# KiCad board 8851_HW-U1-VCU118_REV2-0_071417.kicad_pcb (continued)
## Routing (per net, layer and track width the routed paths; a pad name or vN(x,y) marks a point on that pad's centre or on a via; arc(x,y) is an arc through that point) (continued)
DDR4_C1_DQ32: length 60
  TOP w0.15: v2(96.69,57.92) 97.18,58.41
  05_SIG2 w0.17: v1(75.15,90.78) 75.55,90.38 75.55,89.55 ; 92.9,57.04 93.5,56.44 95.91,56.44 96.2,56.73 96.2,57.15 96.69,57.64 v2(96.69,57.92)
  05_SIG2 w0.258: 92.9,57.04 88.14,61.8 85.35,61.8 84.24,62.91 82.96,62.91 82.76,63.11 82.76,65.04 82.6,65.2 82.37,65.2 82.21,65.04 82.21,63.11 82.08,62.97 81.23,62.97 80.92,63.28 80.92,67.56 81.14,67.78 81.39,67.78 81.53,67.92 81.53,68.19 81.39,68.33 81.14,68.33 81.01,68.47 81.01,68.74 81.14,68.88 81.39,68.88 81.53,69.02 81.53,69.29 81.39,69.43 81.14,69.43 80.97,69.6 80.97,69.93 80.03,70.87 80.03,73.64 81.01,74.62 81.01,84.09 80.85,84.26 76.44,84.26 75.25,85.44 75.25,89.04 75.55,89.34 75.55,89.55
  BOTTOM w0.15: 74.76,91.17 v1(75.15,90.78)
DDR4_C1_DQ33: length 59.9
  TOP w0.15: v2(95.71,57.92) 96.2,58.41
  05_SIG2 w0.17: v1(75.94,94.71) 75.73,94.5 75.73,94.37 75.63,94.27 75.31,94.27 75.19,94.15 75.19,93.94 75.32,93.81 76.13,93.81 76.34,94.02 76.34,94.89 76.56,95.11 80.04,95.11 80.33,94.82 ; 92.9,64.02 92.93,64.05 93.1,64.05 93.29,63.86 93.29,61.6 93.53,61.36 93.94,61.36 94.23,61.07 94.23,60.67 94.52,60.38 95.04,60.38 95.21,60.21 95.21,58.41 v2(95.71,57.92)
  05_SIG2 w0.258: 92.9,64.02 92.73,63.84 92.53,63.84 92.34,64.04 92.34,64.23 92.61,64.51 92.61,64.7 92.42,64.9 92.22,64.9 91.95,64.62 91.75,64.62 91.56,64.82 91.56,65.01 91.83,65.28 91.83,65.48 91.64,65.67 91.44,65.67 91.2,65.44 91.01,65.44 90.82,65.63 90.82,65.82 91.05,66.06 91.05,66.26 90.86,66.45 90.67,66.45 90.45,66.24 90.26,66.24 90.06,66.43 90.06,66.63 90.28,66.84 90.28,67.04 90.08,67.23 89.89,67.23 89.67,67.01 89.47,67.01 89.28,67.2 89.28,67.4 89.5,67.62 89.5,67.81 89.3,68.01 89.11,68.01 88.88,67.78 88.69,67.78 88.04,68.43 85.52,68.43 85.26,68.69 85.26,87.24 84.63,87.86 83.68,87.86 83.26,88.28 83.26,89.33 82.14,90.45 82.14,93.01 80.33,94.82
  BOTTOM w0.15: 75.55,95.11 v1(75.94,94.71)
  vias: v1(72,91.56)
DDR4_C1_DQ34: length 60.9
  TOP w0.15: 96.2,60.38 v2(95.71,59.88)
  05_SIG2 w0.17: v2(95.71,59.88) 96.2,59.39 96.2,58.7 96.49,58.41 96.89,58.41 97.18,58.12 97.18,56.73 96.89,56.44 96.49,56.44 96.2,56.15 96.2,55.74 95.91,55.46 93.53,55.46 92.9,56.09 ; 74.76,89.55 74.76,91.73 74.37,92.12 v1(74.37,92.35)
  05_SIG2 w0.258: 74.76,89.55 74.76,85.19 76.27,83.68 80.19,83.68 80.37,83.5 80.37,75.14 79.57,74.34 79.57,70.28 80.33,69.53 80.33,62.78 81.43,61.67 84.42,61.67 84.96,61.12 87.86,61.12 92.9,56.09
  BOTTOM w0.15: 73.97,91.96 v1(74.37,92.35)
DDR4_C1_DQ35: length 59.9
  TOP w0.15: 96.2,59.39 v2(95.71,58.9)
  05_SIG2 w0.17: v1(74.37,94.71) 74.76,94.32 74.76,92.19 74.99,91.96 75.32,91.96 75.55,91.73 75.55,91.4 75.78,91.17 76.1,91.17 76.34,90.94 76.34,89.55 ; v2(95.71,58.9) 95.71,58.59 96.2,58.1 96.2,57.71 95.91,57.42 93.44,57.42 92.9,57.96
  05_SIG2 w0.258: 92.9,57.96 88.41,62.45 85.85,62.45 84.23,64.07 83.66,64.07 83.4,64.32 83.4,65.43 82.19,66.64 82.19,85.08 81.95,85.33 80.21,85.33 79.73,84.84 78.61,84.84 78.33,85.13 78.33,85.61 78.19,85.75 77.91,85.75 77.78,85.61 77.78,85.46 77.64,85.33 77.36,85.33 77.23,85.46 77.23,85.61 77.09,85.75 76.81,85.75 76.68,85.61 76.68,85.46 76.54,85.33 76.19,85.33 75.72,85.8 75.72,87.44 75.86,87.58 76.37,87.58 76.51,87.71 76.51,87.99 76.37,88.13 75.86,88.13 75.72,88.26 75.72,88.54 75.86,88.68 76.2,88.68 76.34,88.81 76.34,89.55
  BOTTOM w0.15: 73.97,95.11 v1(74.37,94.71)
DDR4_C1_DQ36: length 62.7
  TOP w0.15: 97.18,61.36 v2(96.69,60.87)
  05_SIG2 w0.17: v1(74.37,90.78) 73.97,91.17 73.42,91.17 72.77,91.82 72.77,92.62 72.4,92.99 72.4,96.45 72.63,96.68 72.99,96.68 73.19,96.88 73.19,97.24 73.48,97.53 73.65,97.53 73.91,97.8 ; v2(96.69,60.87) 97.18,61.36 97.18,64.62 96.2,65.61 96.2,65.99 95.91,66.28 95.5,66.28 95.21,66.57 95.21,66.98 94.92,67.27 94.52,67.27 94.23,67.56 94.23,67.96 93.94,68.25 92.9,68.25
  05_SIG2 w0.258: 73.91,97.8 74.22,98.11 80.68,98.11 84.83,93.96 84.83,93.15 87.79,90.19 87.79,73.15 92.69,68.25 92.9,68.25
  BOTTOM w0.15: 73.97,91.17 v1(74.37,90.78)
DDR4_C1_DQ37: length 62.3
  TOP w0.15: 97.18,60.38 v2(96.69,59.88)
  05_SIG2 w0.17: v2(96.69,59.88) 96.2,60.38 96.2,64.13 96.32,64.25 96.66,64.25 96.78,64.38 96.78,64.57 96.66,64.69 96.06,64.69 95.97,64.78 95.97,65.26 95.88,65.35 95.71,65.35 95.62,65.26 95.62,64.78 95.53,64.69 94.86,64.69 94.73,64.82 94.73,65.01 94.88,65.16 95.21,65.16 95.27,65.23 95.27,66.14 95.13,66.28 94.35,66.28 94.23,66.41 94.23,67.12 94.08,67.27 92.9,67.27 ; 80.33,97.47 74.2,97.47 73.97,97.24 73.97,96.68 v1(74.37,96.29)
  05_SIG2 w0.258: 92.9,67.27 92.77,67.27 89.57,70.46 89.26,70.46 89.14,70.58 89.14,70.88 89.02,71.01 88.77,71.01 88.65,70.88 88.65,70.58 88.53,70.46 88.31,70.46 88.19,70.58 88.19,71.59 88.06,71.72 87.81,71.72 87.7,71.62 87.7,70.58 87.58,70.46 87.33,70.46 87.16,70.64 87.16,89.92 84.17,92.91 84.17,93.71 80.41,97.47 80.33,97.47
  BOTTOM w0.15: 73.97,95.9 v1(74.37,96.29)
DDR4_C1_DQ38: length 58.8
  TOP w0.15: 96.2,61.36 v2(95.71,60.87)
  05_SIG2 w0.17: v2(95.71,60.87) 95.21,61.36 95.21,63.96 94.23,64.94 94.23,65.99 93.94,66.28 92.9,66.28 ; v1(73.58,92.35) 73.19,92.75 73.19,93.67 73.27,93.75 74.15,93.75 74.24,93.84 74.24,94.1 74.15,94.19 73.27,94.19 73.19,94.28 73.19,95.66 73.42,95.9 74.6,95.9 74.76,96.06 74.76,96.45 74.99,96.68 80.27,96.68 80.33,96.63
  05_SIG2 w0.258: 92.9,66.28 92.85,66.28 89.34,69.8 86.7,69.8 86.52,69.97 86.52,89.66 83.52,92.66 83.52,93.43 80.33,96.63
  BOTTOM w0.15: 73.19,91.96 v1(73.58,92.35)
DDR4_C1_DQ39: length 60
  TOP w0.15: 95.21,61.36 v2(94.72,60.87)
  TOP w0.375: v2(112.44,86.46) U1.B20
  05_SIG2 w0.17: v2(94.72,60.87) 94.72,61.15 94.23,61.65 94.23,64.02 93.76,64.49 93.76,65.12 93.37,65.52 92.9,65.52 ; 80.33,95.73 80.16,95.9 75.78,95.9 75.55,95.66 75.55,95.31 75.35,95.11 73.97,95.11 v1(73.58,94.71)
  05_SIG2 w0.258: 80.33,95.73 82.84,93.21 82.84,92.35 82.98,92.21 83.07,92.21 83.21,92.06 83.21,91.67 83.08,91.53 82.89,91.53 82.78,91.42 82.78,90.86 82.9,90.74 83.15,90.74 83.69,91.28 83.88,91.28 84.08,91.08 84.08,90.89 83.44,90.25 83.44,90.06 83.63,89.86 83.83,89.86 84.47,90.5 84.66,90.5 84.86,90.31 84.86,90.11 84.06,89.31 84.06,89.12 84.25,88.93 84.45,88.93 85.24,89.72 85.44,89.72 85.63,89.53 85.63,89.33 84.95,88.65 84.95,88.47 85.1,88.31 85.28,88.31 85.49,88.52 85.66,88.52 85.89,88.3 85.89,69.33 86.08,69.15 89.08,69.15 92.72,65.52 92.9,65.52
  BOTTOM w0.15: 73.19,95.11 v1(73.58,94.71)
DDR4_C1_DQ40: length 78.1
  TOP w0.15: 106.04,64.31 v2(105.55,63.82)
  03_SIG1 w0.17: v1(79.88,92.35) 79.48,91.96 79.48,90.58 79.29,90.38 71.84,90.38 71.61,90.16 71.61,89.76 71.4,89.55 ; v2(105.55,63.82) 105.55,63.6 106.04,63.11 106.04,62.63 105.75,62.35 104.36,62.35 104.07,62.63 104.07,63.04 103.78,63.33 103.38,63.33 103.09,63.62 103.09,65.99 102.8,66.28 102.39,66.28 102.1,66.57 102.1,66.98 101.81,67.27 101.41,67.27 101.12,67.56 101.12,67.96 100.83,68.25 100.42,68.25 100.13,68.54 100.13,69.93 99.85,70.22 99.44,70.22 99.15,70.51 99.15,70.92 98.86,71.2 98.45,71.2 98.17,71.49 98.17,71.9 97.88,72.19 97.47,72.19 97.18,72.48 97.18,72.88 96.89,73.17 96.49,73.17 96.2,73.46 96.2,73.87 95.91,74.16 95.5,74.16 95.21,74.44 95.21,74.85 94.93,75.14 94.52,75.14 94.23,75.43 94.23,75.84 93.94,76.12 92.9,76.12
  03_SIG1 w0.258: 71.4,89.55 70.64,88.79 70.16,88.79 69.95,88.58 68.29,88.58 68.08,88.36 68.08,88.04 68.21,87.91 69.31,87.91 69.45,87.77 69.45,87.44 69.29,87.28 68.19,87.28 68.08,87.17 68.08,86.9 68.3,86.67 69.26,86.67 69.45,86.48 69.45,85.58 69.35,85.47 68.85,85.47 68.75,85.57 68.75,85.89 68.6,86.04 68.24,86.04 68.08,85.87 68.08,84.95 68.65,84.37 81.22,84.37 81.44,84.14 84.3,84.14 92.32,76.12 92.9,76.12
  BOTTOM w0.15: 79.48,91.96 v1(79.88,92.35)
DDR4_C1_DQ41: length 77.7
  TOP w0.15: 105.06,64.31 v2(104.56,63.82)
  03_SIG1 w0.17: v2(104.56,63.82) 104.56,65.07 105.06,65.56 105.06,66.12 104.89,66.28 104.36,66.28 104.07,66.57 104.07,67.06 103.87,67.27 103.38,67.27 103.09,67.56 103.09,68.03 102.87,68.25 102.39,68.25 102.1,68.54 102.1,69.93 101.81,70.22 101.41,70.22 101.12,70.51 101.12,70.97 100.89,71.2 100.42,71.2 100.13,71.49 100.13,71.98 99.92,72.19 99.44,72.19 99.15,72.48 99.15,72.97 98.95,73.17 98.45,73.17 98.17,73.46 98.17,73.92 97.93,74.16 97.47,74.16 97.18,74.44 97.18,74.93 96.97,75.14 96.49,75.14 96.2,75.43 96.2,75.89 95.97,76.12 95.5,76.12 95.21,76.41 95.21,76.9 95.01,77.11 94.52,77.11 94.23,77.4 94.23,77.86 93.99,78.09 92.9,78.09 92.9,78.1 ; 80.33,95.81 80.24,95.9 79.48,95.9 v1(79.09,96.29)
  03_SIG1 w0.258: 92.9,78.1 85.22,85.78 85.22,87.29 85,87.51 84.85,87.51 84.59,87.25 84.59,87.25 84.59,86.92 84.34,86.67 83.79,86.67 83.43,86.31 82.21,86.31 81.85,86.67 80.68,86.67 79.52,87.83 78.75,87.83 78.12,87.2 77.99,87.2 77.8,87.39 77.8,87.76 77.61,87.95 77.35,87.95 77.17,87.76 77.17,87.39 76.98,87.2 76.72,87.2 76.53,87.39 76.53,87.76 76.35,87.95 76.09,87.95 75.9,87.76 75.9,87.39 75.72,87.2 75.46,87.2 75.27,87.39 75.27,87.76 75.08,87.95 74.82,87.95 74.64,87.76 74.64,87.39 74.45,87.2 74.07,87.2 73.79,87.49 73.79,88.36 73.98,88.55 80.66,88.55 80.82,88.4 80.82,88.25 80.49,87.91 80.49,87.74 80.66,87.56 80.93,87.56 81.31,87.94 81.87,87.94 82.17,87.64 82.17,87.26 82.4,87.03 83.02,87.03 83.22,87.23 83.22,87.45 82.31,88.37 82.31,88.62 81.94,88.99 81.94,90.01 82.31,90.37 82.31,94.6 81.24,95.67 80.46,95.67 80.33,95.81
  BOTTOM w0.15: 78.7,95.9 v1(79.09,96.29)
DDR4_C1_DQ42: length 76
  TOP w0.15: 108.01,62.35 v2(107.52,61.85)
  03_SIG1 w0.17: v2(107.52,61.85) 108.01,62.35 108.01,62.63 108.01,63.04 108.3,63.33 108.32,63.33 108.73,63.33 108.99,63.6 108.99,64.02 108.99,64.03 109.44,64.47 109.87,64.47 110.96,65.57 110.96,65.99 110.67,66.28 110.27,66.28 109.98,66.57 109.98,66.98 109.69,67.27 109.28,67.27 108.99,67.55 108.99,67.96 108.7,68.25 108.3,68.25 108.01,68.54 108.01,69.93 107.72,70.22 107.31,70.22 107.02,70.51 107.02,70.92 106.74,71.2 106.33,71.2 106.04,71.49 106.04,71.9 105.75,72.19 105.34,72.19 105.06,72.48 105.06,72.88 104.77,73.17 104.36,73.17 104.07,73.46 104.07,73.87 103.78,74.16 103.38,74.16 103.09,74.44 103.09,74.85 102.8,75.14 102.39,75.14 102.1,75.43 102.1,75.84 101.81,76.12 101.41,76.12 101.12,76.41 101.12,76.82 100.83,77.11 100.42,77.11 100.13,77.4 100.13,77.8 99.85,78.09 99.44,78.09 99.15,78.38 99.15,78.4 99.15,78.79 98.86,79.08 98.45,79.08 98.17,79.37 98.17,79.41 98.17,79.77 97.88,80.06 97.47,80.06 97.18,80.35 97.18,80.38 97.18,80.76 96.89,81.05 96.49,81.05 96.2,81.33 96.2,81.74 95.91,82.03 95.5,82.03 95.21,82.32 95.21,82.73 94.93,83.01 94.52,83.01 94.23,83.3 94.23,89.52 ; v1(78.3,92.35) 77.91,91.96 77.34,91.96 77.12,92.18 77.12,92.73 75.55,94.3 75.55,94.88 75.31,95.11 74.98,95.11 74.76,95.33 74.76,96.45 74.99,96.68 75.3,96.68 75.3,96.68 75.32,96.68 75.55,96.91 75.55,96.93 75.55,96.93 75.55,97.55 75.79,97.79 75.97,97.79 75.97,97.8
  03_SIG1 w0.258: 75.97,97.8 76.58,98.41 76.58,99.16 77.6,100.19 85.37,100.19 87.1,98.45 87.1,97.54 90.87,93.76 90.87,93.24 94.23,89.89 94.23,89.52
  BOTTOM w0.15: 77.91,91.96 v1(78.3,92.35)
DDR4_C1_DQ43: length 76.1
  TOP w0.15: 107.02,62.35 v2(106.53,61.85)
  03_SIG1 w0.17: v1(78.3,94.71) 78.01,94.71 77.91,94.82 77.91,96.45 78.14,96.68 78.18,96.68 78.47,96.68 78.7,96.91 78.7,97.24 78.95,97.49 80.1,97.49 80.31,97.28 80.33,97.28 ; v2(106.53,61.85) 106.75,61.63 106.88,61.63 107.02,61.78 107.02,65.99 106.74,66.28 106.33,66.28 106.04,66.57 106.04,66.98 105.75,67.27 105.34,67.27 105.06,67.56 105.06,67.96 104.77,68.25 104.36,68.25 104.07,68.54 104.07,69.93 103.78,70.22 103.38,70.22 103.09,70.51 103.09,70.92 102.8,71.2 102.39,71.2 102.1,71.49 102.1,71.9 101.81,72.19 101.41,72.19 101.12,72.48 101.12,72.88 100.83,73.17 100.42,73.17 100.13,73.46 100.13,73.87 99.85,74.16 99.44,74.16 99.15,74.44 99.15,74.85 98.86,75.14 98.45,75.14 98.17,75.43 98.17,75.92 97.96,76.12 97.47,76.12 97.18,76.41 97.18,76.92 96.99,77.11 96.46,77.11 96.2,77.37 96.2,77.86 95.96,78.09 95.5,78.09 95.21,78.38 95.21,78.91 95.05,79.08 94.52,79.08 94.23,79.37 94.23,79.89 94.05,80.06 93.48,80.06 92.9,80.65
  03_SIG1 w0.258: 80.33,97.28 80.82,97.28 81.14,96.96 81.75,96.96 82.33,96.38 82.33,96.38 83.6,95.12 83.6,92.61 86.04,90.16 86.39,90.16 86.9,90.68 87.15,90.68 87.32,90.51 87.32,90.21 86.77,89.67 86.77,89.5 87.51,88.77 87.71,88.77 87.94,88.99 88.23,88.99 88.44,88.78 88.44,88.49 87.14,87.18 87.14,86.92 87.33,86.74 87.59,86.74 88.5,87.64 88.76,87.64 88.95,87.46 88.95,87.2 88.04,86.29 88.04,86.03 88.22,85.84 88.48,85.84 89.58,86.94 90.72,86.94 91.35,86.32 91.35,85.67 91.16,85.49 90.57,85.49 90.39,85.67 90.39,86.08 90.2,86.26 89.94,86.26 89.76,86.08 89.76,85.67 89.57,85.49 89.17,85.49 88.97,85.29 88.97,85.02 89.14,84.85 91.16,84.85 91.35,84.67 91.35,84.41 91.16,84.22 90.38,84.22 90.2,84.04 90.2,83.77 90.38,83.59 91.16,83.59 91.35,83.4 91.35,82.89 91.21,82.75 90.71,82.75 90.58,82.61 90.58,82.34 90.71,82.2 91.34,82.2 92.9,80.65
  BOTTOM w0.15: 77.91,95.11 v1(78.3,94.71)
DDR4_C1_DQ44: length 75.9
  TOP w0.15: 108.01,63.33 v2(107.52,62.84)
  03_SIG1 w0.17: 92.9,82.66 93.53,82.03 93.94,82.03 94.23,81.74 94.23,81.33 94.52,81.05 94.93,81.05 95.21,80.76 95.21,80.35 95.5,80.06 95.91,80.06 96.2,79.77 96.2,79.37 96.49,79.08 96.89,79.08 97.18,78.79 97.18,78.38 97.47,78.09 97.88,78.09 98.17,77.8 98.17,77.4 98.45,77.11 98.86,77.11 99.15,76.82 99.15,76.32 99.34,76.12 99.85,76.12 100.13,75.84 100.13,75.33 100.33,75.14 100.83,75.14 101.12,74.85 101.12,74.35 101.31,74.16 101.82,74.16 102.1,73.87 102.1,73.36 102.29,73.17 102.8,73.17 103.09,72.88 103.09,72.38 103.28,72.19 103.78,72.19 104.07,71.9 104.07,71.39 104.26,71.2 104.77,71.2 105.06,70.92 105.06,70.41 105.25,70.22 105.75,70.22 106.04,69.93 106.04,68.54 106.33,68.25 106.74,68.25 107.02,67.96 107.02,67.56 107.31,67.27 107.72,67.27 108.01,66.98 108.01,66.57 108.3,66.28 108.7,66.28 108.99,65.99 108.99,65.08 108.01,64.09 108.01,63.61 107.52,63.12 v2(107.52,62.84) ; v1(78.3,90.78) 78.7,91.17 78.7,92.51 78.07,93.14 78.07,93.27 78.65,93.84 78.65,93.96 78.4,94.21 78.27,94.21 77.7,93.64 77.58,93.64 77.12,94.09 77.12,94.88 76.9,95.11 76.57,95.11 76.34,95.34 76.34,96.46 76.56,96.68 76.89,96.68 77.12,96.91 77.12,97.35 78.05,98.28 79.8,98.28 80.18,98.66
  03_SIG1 w0.258: 80.18,98.66 81.4,98.66 81.8,98.26 82.25,98.26 83,97.51 84.84,97.51 85.61,96.74 85.61,95.57 84.86,94.82 84.86,93.13 86.03,91.96 87.66,91.96 89.03,93.33 89.22,93.33 89.54,93.02 89.54,92.82 88.99,92.27 88.99,91.91 89.28,91.62 89.65,91.62 90.01,91.26 90.01,90.89 91.8,89.1 91.99,89.1 92.25,89.36 92.44,89.36 93.02,88.78 93.02,86.28 92.62,85.89 92.62,82.94 92.9,82.66
  BOTTOM w0.15: 77.91,91.17 v1(78.3,90.78)
DDR4_C1_DQ45: length 77
  TOP w0.15: 107.02,63.33 v2(106.53,62.84)
  03_SIG1 w0.17: 80.33,96.55 80.2,96.55 80.07,96.68 78.93,96.68 78.53,96.29 v1(78.3,96.29) ; 92.9,79.08 94.05,79.08 94.23,78.9 94.23,78.28 94.42,78.09 95.01,78.09 95.21,77.89 95.21,77.32 95.42,77.11 95.99,77.11 96.2,76.9 96.2,76.29 96.37,76.12 97,76.12 97.18,75.94 97.18,75.35 97.39,75.14 97.97,75.14 98.17,74.94 98.17,74.38 98.39,74.16 98.97,74.16 99.15,73.97 99.15,73.39 99.37,73.17 99.92,73.17 100.13,72.96 100.13,72.39 100.34,72.19 100.96,72.19 101.12,72.03 101.12,71.41 101.33,71.2 101.87,71.2 102.1,70.97 102.1,70.44 102.33,70.22 102.93,70.22 103.09,70.07 103.09,68.45 103.28,68.25 103.87,68.25 104.07,68.05 104.07,67.45 104.25,67.27 104.77,67.27 105.06,66.98 105.06,66.57 105.34,66.28 105.84,66.28 106.04,66.08 106.04,65.64 105.66,65.27 105.19,65.27 104.95,65.03 104.95,64.38 105.06,64.26 105.3,64.26 105.44,64.41 105.44,64.58 105.64,64.77 106.11,64.77 106.23,64.89 106.23,65.21 106.32,65.3 106.55,65.3 106.67,65.19 106.67,64.42 106.55,64.3 106.27,64.3 106.04,64.07 106.04,63.62 106.53,63.13 v2(106.53,62.84)
  03_SIG1 w0.258: 80.33,96.55 80.55,96.55 80.79,96.31 81.5,96.31 81.69,96.12 81.69,96.12 82.96,94.85 82.96,90.11 82.58,89.73 82.58,89.35 82.74,89.19 82.95,89.19 83.4,89.63 83.53,89.63 83.84,89.33 83.84,89.13 83.34,88.63 83.34,88.28 83.75,87.86 84.31,87.86 84.67,88.22 84.67,88.75 84.81,88.89 84.81,89.35 83.65,90.51 83.65,90.86 83.88,91.09 84.16,91.09 86.02,89.23 86.02,89.09 85.3,88.37 85.3,88.1 85.53,87.88 85.83,87.88 86.54,88.58 86.79,88.58 87.04,88.32 87.04,88.04 85.85,86.85 85.85,86.05 86.08,85.82 86.34,85.82 86.67,86.15 86.93,86.15 87.11,85.96 87.11,85.7 86.79,85.38 86.79,85.11 86.97,84.93 87.23,84.93 87.56,85.25 87.82,85.25 88.01,85.07 88.01,84.81 87.68,84.48 87.68,84.22 87.87,84.03 88.13,84.03 88.45,84.36 88.72,84.36 88.9,84.18 88.9,83.91 88.58,83.59 88.58,83.32 88.76,83.14 89.02,83.14 89.35,83.47 89.61,83.47 89.8,83.28 89.8,83.02 89.47,82.69 89.47,82.43 90.55,81.35 90.81,81.35 90.9,81.45 91.16,81.45 91.35,81.26 91.35,81 91.26,80.91 91.26,80.64 91.44,80.46 91.7,80.46 91.8,80.55 92.06,80.55 92.24,80.37 92.24,80.11 92.15,80.01 92.15,79.75 92.82,79.08 92.9,79.08
  BOTTOM w0.15: 77.91,95.9 v1(78.3,96.29)
DDR4_C1_DQ46: length 75.3
  TOP w0.15: 108.99,64.31 v2(108.5,63.82)
  03_SIG1 w0.17: v2(108.5,63.82) 108.5,64.08 109.98,65.55 109.98,65.99 109.69,66.28 109.28,66.28 108.99,66.57 108.99,66.98 108.7,67.27 108.3,67.27 108.01,67.55 108.01,67.96 107.72,68.25 107.31,68.25 107.02,68.54 107.02,69.93 106.74,70.22 106.33,70.22 106.04,70.51 106.04,70.96 105.8,71.2 105.34,71.2 105.06,71.49 105.06,71.95 104.82,72.19 104.36,72.19 104.07,72.48 104.07,72.93 103.83,73.17 103.38,73.17 103.09,73.46 103.09,73.92 102.85,74.16 102.39,74.16 102.1,74.44 102.1,74.9 101.86,75.14 101.41,75.14 101.12,75.43 101.12,75.88 100.88,76.12 100.42,76.12 100.13,76.41 100.13,76.87 99.89,77.11 99.44,77.11 99.15,77.4 99.15,77.85 98.91,78.09 98.45,78.09 98.17,78.38 98.17,78.84 97.93,79.08 97.47,79.08 97.18,79.37 97.18,79.82 96.94,80.06 96.49,80.06 96.2,80.35 96.2,80.81 95.96,81.05 95.5,81.05 95.21,81.33 95.21,81.74 94.93,82.03 94.52,82.03 94.23,82.32 94.23,82.73 93.94,83.01 93.53,83.01 93.2,83.35 93.2,85.64 93.54,85.98 93.54,89.52 ; v1(77.52,92.35) 77.52,93.06 76.34,94.24 76.34,94.88 76.11,95.11 75.78,95.11 75.55,95.34 75.55,96.45 75.64,96.54 75.64,96.55 75.78,96.68 76.04,96.68 76.1,96.68 76.33,96.91 76.33,97.24 76.34,97.24 76.34,97.27 76.87,97.8
  03_SIG1 w0.258: 76.87,97.8 77.25,98.18 77.25,98.93 77.7,99.38 82.6,99.38 82.83,99.16 82.83,98.59 83.26,98.16 83.7,98.16 84.01,98.47 84.01,99.2 84.21,99.4 85.02,99.4 85.23,99.19 85.23,98.06 86.2,97.09 86.65,97.09 90.23,93.52 90.23,92.49 90.1,92.36 90.1,92.11 90.37,91.84 90.56,91.84 90.77,92.05 91.16,92.05 91.35,91.86 91.35,91.65 90.82,91.12 90.82,91 91.02,90.81 91.35,90.81 91.76,91.21 92,91.21 92.18,91.03 92.18,90.8 91.73,90.36 91.73,90.16 91.89,90 92.24,90 92.59,90.36 92.81,90.36 93.54,89.62 93.54,89.52
  BOTTOM w0.15: 77.12,91.96 v1(77.52,92.35)
  BOTTOM w0.375: 74.76,90.38 v1(75.15,89.99)
DDR4_C1_DQ47: length 75.5
  TOP w0.15: 108.01,64.31 v2(107.52,63.82)
  03_SIG1 w0.17: v2(107.52,63.82) 107.7,64 107.7,64.23 107.6,64.33 107.42,64.33 107.32,64.43 107.32,65.16 107.44,65.28 107.65,65.28 107.79,65.14 107.79,64.82 107.91,64.7 108.19,64.7 108.5,65.01 108.5,65.22 108.38,65.34 108.15,65.34 108.01,65.48 108.01,66.12 107.84,66.28 107.24,66.28 107.02,66.5 107.02,67.06 106.82,67.27 106.23,67.27 106.04,67.45 106.04,68.01 105.8,68.25 105.27,68.25 105.06,68.46 105.06,70.01 104.84,70.22 104.25,70.22 104.07,70.4 104.07,70.92 103.78,71.2 103.32,71.2 103.09,71.43 103.09,71.9 102.8,72.19 102.33,72.19 102.1,72.42 102.1,72.88 101.82,73.17 101.35,73.17 101.12,73.4 101.12,73.87 100.83,74.16 100.42,74.16 100.13,74.44 100.13,74.85 99.85,75.14 99.44,75.14 99.15,75.43 99.15,75.84 98.86,76.12 98.45,76.12 98.17,76.41 98.17,76.82 97.88,77.11 97.47,77.11 97.18,77.4 97.18,77.9 96.99,78.09 96.46,78.09 96.2,78.35 96.2,78.86 95.98,79.08 95.5,79.08 95.21,79.37 95.21,79.81 94.96,80.06 94.52,80.06 94.23,80.35 94.23,80.83 94.01,81.05 93.41,81.05 92.9,81.55 ; 80.36,97.83 80.05,97.83 79.99,97.89 78.56,97.89 78.45,97.78 78.1,97.78 77.91,97.59 77.91,96.91 77.68,96.68 77.35,96.68 77.12,96.45 77.12,95.34 arc(77.13,95.34) 77.12,95.34 77.52,94.95 v1(77.52,94.71)
  03_SIG1 w0.258: 80.36,97.83 81.33,97.83 81.54,97.61 82,97.61 83.51,96.11 83.81,96.11 84.03,96.32 84.03,96.75 84.15,96.87 84.51,96.87 84.91,96.48 84.91,95.78 84.23,95.1 84.23,92.87 85.77,91.33 87.93,91.33 88.19,91.59 88.38,91.59 88.64,91.33 88.64,91.07 87.98,90.4 87.98,90.14 88.16,89.96 88.42,89.96 89.09,90.62 89.35,90.62 89.54,90.44 89.54,90.18 88.87,89.51 88.87,89.25 89.06,89.06 89.32,89.06 89.98,89.73 90.25,89.73 90.56,89.42 90.56,89.15 89.48,88.08 89.48,87.81 89.66,87.63 89.93,87.63 91.01,88.71 91.27,88.71 91.58,88.39 92.25,88.39 92.48,88.16 92.48,87.92 92.29,87.74 91.5,87.74 91.32,87.55 91.32,87.29 91.5,87.1 92.29,87.1 92.48,86.92 92.48,86.68 91.99,86.19 91.99,82.47 92.9,81.55
  BOTTOM w0.15: 77.12,95.11 v1(77.52,94.71)
DDR4_C1_DQ48: length 55.3
  TOP w0.15: 103.09,65.3 v2(102.6,65.79)
  07_SIG3 w0.17: 80.33,83.83 80.25,83.91 79.8,83.91 79.72,83.83 79.72,83.67 79.62,83.57 79.43,83.57 79.34,83.66 79.34,83.81 79.25,83.9 79,83.9 78.92,83.82 78.92,83.67 78.84,83.59 78.63,83.59 78.55,83.68 78.55,83.83 78.46,83.91 78.26,83.91 78.18,83.83 78.18,83.67 78.09,83.58 77.86,83.58 77.78,83.66 77.78,83.82 77.7,83.91 77.43,83.91 77.34,83.82 77.34,83.66 77.26,83.57 77,83.57 76.92,83.65 76.92,83.81 76.8,83.92 76.33,83.92 76.2,83.8 76.2,83.52 76.34,83.39 76.34,82.22 76.14,82.02 75.78,82.02 75.55,81.79 75.55,80.51 75.4,80.36 74.43,80.36 74.31,80.25 74.31,80.08 74.4,79.99 75.29,79.99 75.42,79.85 75.42,79.78 75.25,79.61 74.39,79.61 74.33,79.54 74.33,79.28 74.45,79.16 74.92,79.16 75,79.08 75,78.99 74.76,78.76 74.76,77.53 75.15,77.13 v1(75.15,76.9) ; 92.9,72.56 93.27,72.19 93.94,72.19 94.23,71.9 94.23,71.49 94.52,71.2 94.93,71.2 95.21,70.91 95.21,70.51 95.5,70.22 96.89,70.22 97.18,69.93 97.18,69.52 97.47,69.23 97.88,69.23 98.17,68.95 98.17,68.87 98.17,68.54 98.45,68.25 99.44,68.25 99.85,68.25 100.13,67.96 100.13,67.55 100.42,67.27 101.81,67.27 102.1,66.98 102.1,65.96 102.27,65.79 v2(102.6,65.79)
  07_SIG3 w0.258: 92.9,72.56 92.64,72.83 92.64,72.83 89.86,75.6 89.85,75.6 86.06,79.39 86.06,82.46 85.51,83.02 84.62,83.02 84.51,82.9 83.6,82.9 82.98,82.27 82.85,82.27 82.62,82.5 82.62,82.72 83.17,83.27 83.17,83.65 83.03,83.8 82.49,83.8 82.26,83.57 82.26,83.19 82.02,82.95 80.64,82.95 80.37,83.21 80.37,83.78 80.33,83.83
  BOTTOM w0.15: 74.76,77.3 v1(75.15,76.9)
DDR4_C1_DQ49: length 55.5
  TOP w0.15: v2(101.61,65.79) 102.1,65.3
  07_SIG3 w0.17: 80.33,81.34 80.22,81.23 76.34,81.23 v1(75.94,80.84) ; 93.33,71.2 93.94,71.2 94.23,70.91 94.23,70.51 94.52,70.22 94.93,70.22 95.21,69.93 95.21,69.52 95.5,69.23 96.89,69.23 97.18,68.95 97.18,68.54 97.47,68.25 97.88,68.25 98.17,67.96 98.17,67.79 98.17,67.55 98.45,67.27 99.44,67.27 99.85,67.27 100.13,66.98 100.13,66.57 100.42,66.28 101.12,66.28 v2(101.61,65.79)
  07_SIG3 w0.258: 93.33,71.2 86.66,77.87 86.54,77.87 86.4,77.73 86.4,76.93 86.28,76.81 86.01,76.81 85.85,76.97 85.85,78.5 85.39,78.96 85.39,79.86 85.16,80.09 84.63,80.09 84.4,80.32 84.4,80.64 84.63,80.86 85.16,80.86 85.39,81.09 85.39,82.06 85.22,82.22 84.75,82.22 84.15,81.62 82.36,81.62 82.19,81.46 82.19,81.15 82.35,81 83.06,81 83.32,80.74 83.32,79.58 83.72,79.17 84.32,79.17 85.3,78.2 85.3,77.15 85.18,77.02 84.91,77.02 84.75,77.18 84.75,77.69 84.61,77.83 83.35,77.83 83.1,78.08 83.1,79.1 82.83,79.38 82.83,80.06 82.5,80.39 81.5,80.39 81.05,80.84 81.05,82.15 80.9,82.3 80.57,82.3 80.41,82.14 80.41,81.43 80.33,81.34
  BOTTOM w0.15: 75.55,81.23 v1(75.94,80.84)
  vias: v1(72,77.69)
DDR4_C1_DQ50: length 54.2
  TOP w0.15: 105.06,62.35 v2(104.56,61.85)
  07_SIG3 w0.17: 92.9,74.38 93.12,74.16 93.94,74.16 94.23,73.87 94.23,73.46 94.52,73.17 95.91,73.17 96.2,72.88 96.2,72.48 96.49,72.19 96.89,72.19 97.18,71.9 97.18,71.49 97.47,71.2 97.88,71.2 98.17,70.91 98.17,70.51 98.45,70.22 99.85,70.22 100.13,69.93 100.13,69.59 100.49,69.23 101.77,69.23 102.1,68.9 102.1,68.54 102.39,68.25 102.8,68.25 103.09,67.96 103.09,67.61 103.43,67.27 103.71,67.27 104.07,66.91 104.07,66.6 104.4,66.28 104.75,66.28 105.06,65.97 105.06,62.35 v2(104.56,61.85) ; 75.01,83.92 74.76,83.68 74.76,82.25 74.53,82.02 74.2,82.02 73.97,81.79 73.97,78.87 v1(74.37,78.48)
  07_SIG3 w0.258: 92.9,74.38 87.39,79.89 87.39,83.09 84.99,85.49 80.01,85.49 79.54,85.02 76.11,85.02 75.01,83.92
  BOTTOM w0.15: 73.97,78.08 v1(74.37,78.48)
DDR4_C1_DQ51: length 53.6
  TOP w0.15: 104.07,62.35 v2(103.58,61.85)
  07_SIG3 w0.17: 92.9,73.46 93.19,73.17 93.94,73.17 94.23,72.88 94.23,72.48 94.52,72.19 95.04,72.19 95.21,72.02 95.21,71.49 95.5,71.2 96.89,71.2 97.18,70.92 97.18,70.51 97.47,70.22 97.88,70.22 98.17,69.93 98.17,69.93 98.17,69.52 98.45,69.24 99.85,69.24 100.13,68.95 100.13,68.54 100.42,68.25 101.81,68.25 102.1,67.96 102.1,67.56 102.39,67.27 102.8,67.27 103.09,66.98 103.09,65.57 103.58,65.08 103.88,65.08 104.18,65.38 104.44,65.38 104.62,65.2 104.62,64.56 104.48,64.41 103.96,64.41 103.9,64.35 103.9,64.12 104.07,63.95 104.07,62.02 103.9,61.85 v2(103.58,61.85) ; 75.65,83.92 75.55,83.82 75.55,82.25 75.32,82.02 74.99,82.02 74.76,81.79 74.76,80.97 74.63,80.84 v1(74.37,80.84)
  07_SIG3 w0.258: 92.9,73.46 86.72,79.64 86.72,82.83 85.87,83.68 85.31,83.68 85.1,83.88 85.1,84.44 84.88,84.66 84.66,84.66 84.54,84.54 84.54,84.36 84.32,84.14 83.6,84.14 83.38,84.37 83.38,84.69 83.25,84.81 82.36,84.81 82.21,84.66 82.21,84.38 82.18,84.38 81.97,84.17 81.14,84.17 80.95,84.37 80.95,84.71 80.82,84.83 80.35,84.83 80.21,84.7 80.21,84.49 80.07,84.35 76.08,84.35 75.65,83.92
  BOTTOM w0.15: 73.97,81.23 v1(74.37,80.84)
DDR4_C1_DQ52: length 55.7
  TOP w0.15: 103.09,62.35 v2(102.6,61.85)
  07_SIG3 w0.17: v2(102.6,61.85) 102.1,62.35 102.1,63.04 101.81,63.33 99.44,63.33 99.15,63.62 99.15,64.03 98.63,64.55 93.65,64.55 92.9,65.3 ; v1(74.37,76.9) 73.97,76.51 73.97,75.8 73.84,75.67